# KiCad board LED_Matrix_Phone_Case.kicad_pcb (continued)
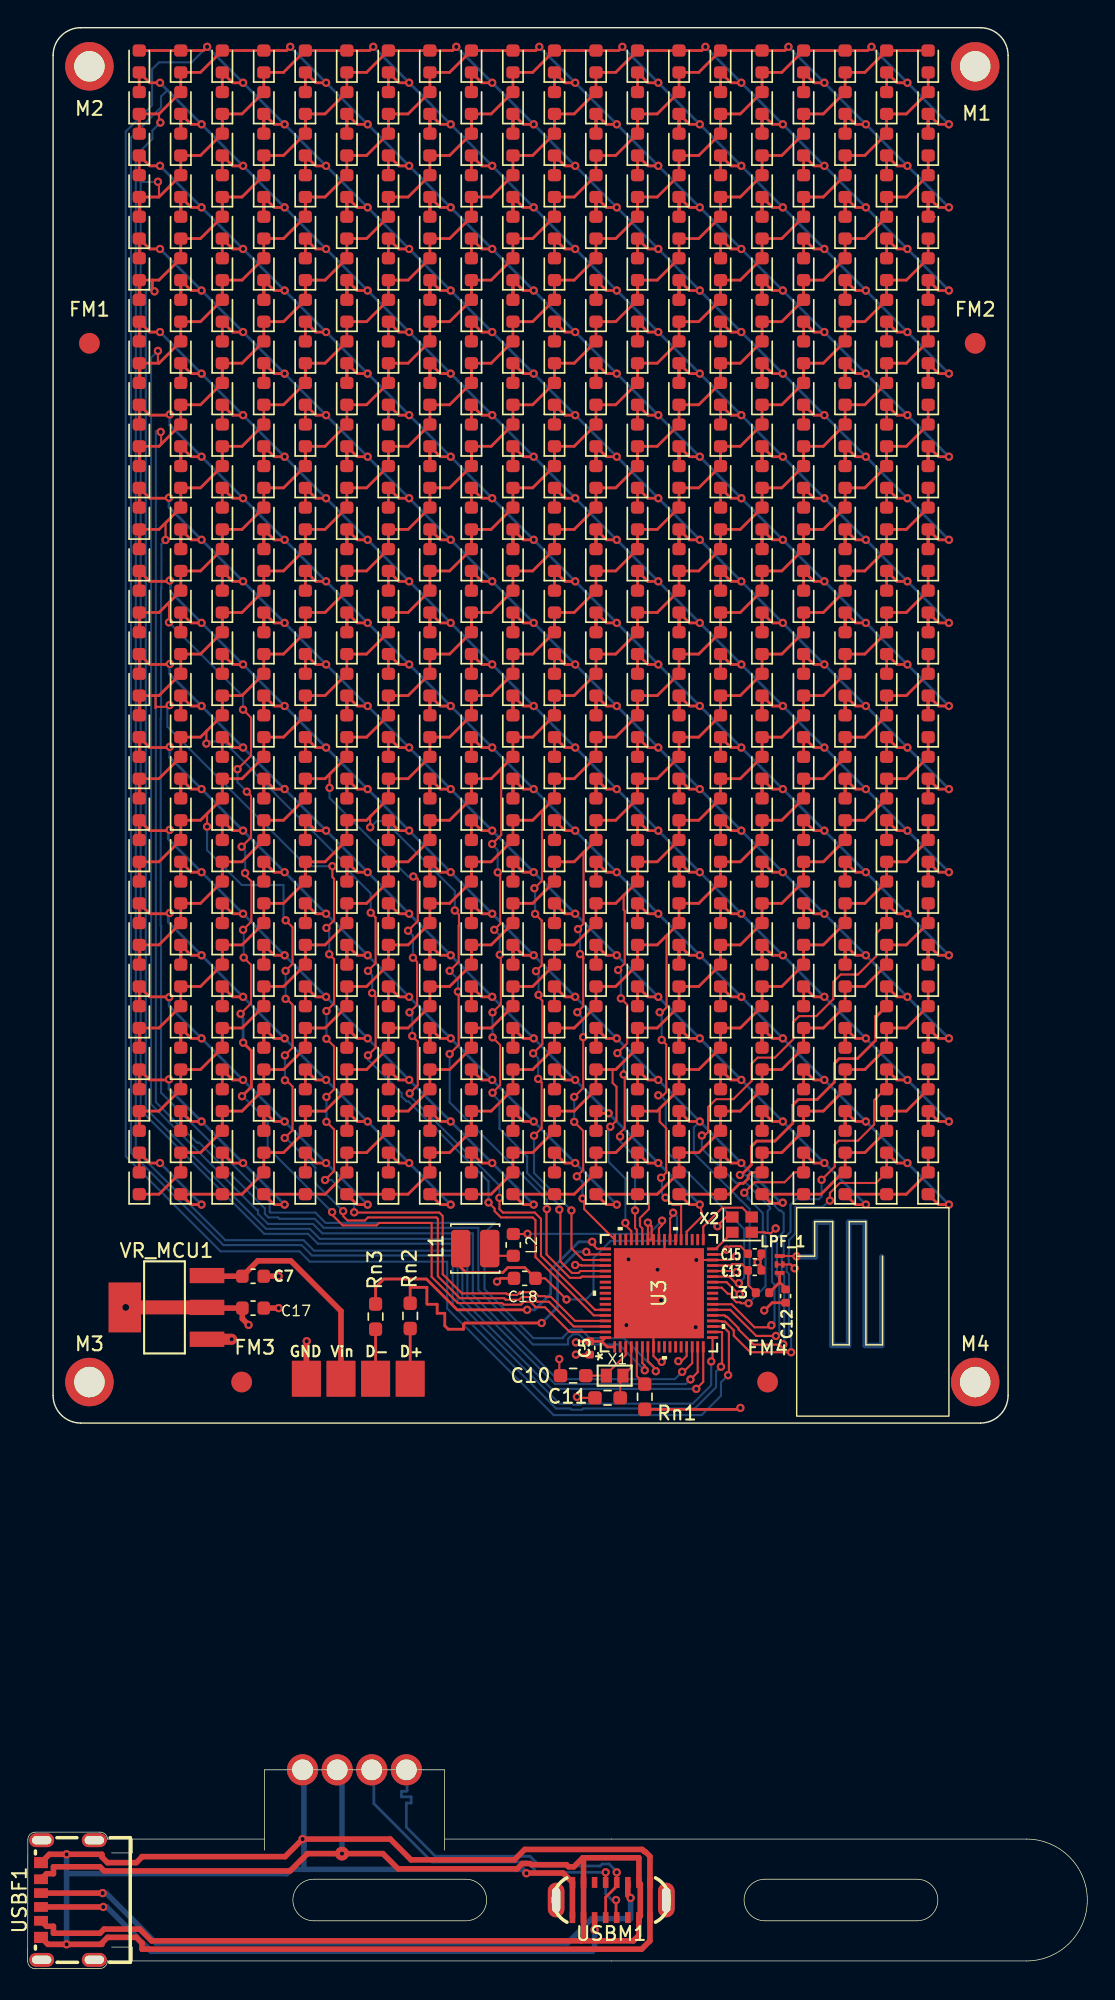
[diagram p0: board, top side]
## Routing (per net, layer and track width the routed paths; a pad name or vN(x,y) marks a point on that pad's centre or on a via; arc(x,y) is an arc through that point) (continued)
LED_24: length 171.6
  Top w0.15: v1(51.44,48.7) 51.37,48.7 50.5,49.57 U3.28
  Top w0.2: v1(54.56,55.31) 54.56,55.26 54.55,55.26 53.72,55.26 REF**550.1 REF**553.1 57.32,55.92 58.9,57.5 REF**554.2 REF**556.1 60.49,58.92 REF**#3.2 ; REF**#3.2 REF**517.1 63.49,61.92 REF**518.2 REF**520.1 ; REF**#3.2 62.06,61.96 ; v1(45.56,64.17) 44.81,64.17 REF**507.1 REF**505.2 ; REF**549.2 REF**551.1 50.81,58.17 v1(51.56,58.17) ; REF**373.2 REF**375.1 26.81,82.17 v1(27.56,82.17) ; REF**372.2 REF**330.1 23.81,85.17 v1(24.56,85.17) ; REF**372.2 23.06,85.96 REF**372.2 ; REF**417.2 REF**419.1 32.81,76.17 v1(33.56,76.17) ; v1(21.56,88.17) 20.81,88.17 REF**331.1 REF**329.2 ; REF**284.2 11.06,97.96 REF**284.2 ; REF**284.2 REF**242.1 11.81,97.17 v1(12.56,97.17) ; REF**504.2 41.06,67.96 REF**504.2 ; REF**504.2 REF**462.1 41.81,67.17 v1(42.56,67.17) ; REF**460.2 35.06,73.96 REF**460.2 ; REF**460.2 REF**418.1 35.81,73.17 v1(36.56,73.17) ; v1(39.56,70.17) 38.81,70.17 REF**463.1 REF**461.2 ; REF**416.2 29.06,79.96 REF**416.2 ; REF**416.2 REF**374.1 29.81,79.17 v1(30.56,79.17) ; REF**548.2 REF**506.1 47.81,61.17 v1(48.56,61.17) ; REF**548.2 47.06,61.96 REF**548.2 ; REF**328.2 17.06,91.96 REF**328.2 ; REF**328.2 REF**286.1 17.81,91.17 v1(18.56,91.17) ; v1(15.56,94.17) 14.81,94.17 REF**287.1 REF**285.2 ; REF**241.2 REF**243.1 8.81,100.17 10.05,100.17 10.11,100.23 v1(10.26,100.23)
  Bottom w0.15: v1(51.44,48.7) 52.16,49.42 52.16,54.86 51.57,55.46 51.54,55.46 51.2,55.79 51.2,55.82 48.14,58.89 48.14,60.75 v1(48.56,61.17)
  Bottom w0.2: v1(10.26,100.23) 10.31,100.18 10.31,99.42 v1(12.56,97.17) v1(15.56,94.17) v1(18.56,91.17) v1(21.56,88.17) v1(24.56,85.17) v1(27.56,82.17) v1(30.56,79.17) v1(33.56,76.17) v1(36.56,73.17) v1(39.56,70.17) v1(42.56,67.17) v1(45.56,64.17) v1(48.56,61.17) v1(51.56,58.17) 54.26,55.47 54.26,55.39 54.33,55.31 v1(54.56,55.31)
LED_25: length 154.4
  Top w0.15: v1(45.66,69.06) 45.81,69.06 46.16,69.41 46.16,74.51 46.12,74.55 ; v1(45.56,63.06) 45.91,63.06 46.14,63.29 46.14,66.74 v1(45.81,67.06) ; v1(51.39,49.5) 51.17,49.5 50.7,49.97 U3.29
  Top w0.2: REF**539.2 REF**497.1 33.49,61.92 REF**498.2 REF**500.1 36.49,64.92 REF**503.2 ; REF**539.2 32.06,61.96 ; REF**539.2 30.49,58.92 REF**536.1 REF**534.2 27.49,55.92 REF**533.1 REF**530.1 23.81,55.17 v1(24.56,55.17) ; REF**395.2 54.49,82.92 REF**392.1 REF**390.2 51.49,79.92 REF**389.1 REF**431.2 ; REF**395.2 56.06,85.96 ; REF**395.2 REF**353.1 57.49,85.92 REF**354.2 REF**356.1 60.49,88.92 REF**359.2 ; REF**503.2 38.06,67.96 ; REF**503.2 REF**461.1 39.49,67.92 REF**462.2 REF**464.1 42.49,70.92 REF**467.2 ; REF**467.2 44.06,73.96 ; REF**467.2 REF**425.1 45.49,73.92 REF**426.2 REF**428.1 48.49,76.92 REF**431.2 ; REF**484.2 11.06,67.96 REF**484.2 ; REF**484.2 REF**442.1 11.81,67.17 v1(12.56,67.17) ; REF**359.2 REF**317.1 63.49,91.92 REF**318.2 REF**320.1 ; REF**359.2 62.06,91.96 ; REF**431.2 50.06,79.96 ; REF**528.2 17.06,61.96 REF**528.2 ; REF**528.2 REF**486.1 17.81,61.17 v1(18.56,61.17) ; v1(10.23,70.14) 10.2,70.17 8.81,70.17 REF**443.1 REF**441.2 ; REF**485.2 REF**487.1 14.81,64.17 v1(15.56,64.17) ; REF**529.2 REF**531.1 20.81,58.17 v1(21.56,58.17)
  Bottom w0.15: 45.81,63.06 v1(45.56,63.06) 45.71,63.06 46.11,62.66 46.11,59.06 51.77,53.41 51.77,49.88 v1(51.39,49.5) ; v1(45.66,69.06) 45.81,68.91 v1(45.81,67.06)
  Bottom w0.2: v1(10.23,70.14) 10.23,69.51 v1(12.56,67.17) v1(15.56,64.17) v1(18.56,61.17) v1(21.56,58.17) v1(24.56,55.17)
LED_26: length 145.9
  Top w0.15: U3.46 44.41,53.46 44.24,53.63 44.24,54.05 ; 44.24,54.05 44.24,54.11 ; 44.24,54.05 44.24,54.2 44.89,54.85 44.89,55.9 44.91,55.92 ; 41.01,55.97 REF**542.1
  Top w0.2: REF**479.2 60.49,70.92 REF**476.1 REF**474.2 57.49,67.92 REF**473.1 REF**515.2 ; REF**479.2 62.06,73.96 ; REF**479.2 REF**437.1 63.49,73.92 REF**438.2 REF**440.1 ; v1(39.56,58.17) 38.81,58.17 REF**543.1 REF**541.2 ; v1(10.27,88.22) 10.22,88.17 8.81,88.17 REF**323.1 REF**321.2 ; REF**452.2 23.06,73.96 REF**452.2 ; REF**452.2 REF**410.1 23.81,73.17 v1(24.56,73.17) ; REF**496.2 REF**454.1 29.81,67.17 v1(30.56,67.17) ; REF**496.2 29.06,67.96 REF**496.2 ; v1(18.56,79.17) 17.81,79.17 REF**366.1 REF**408.2 ; v1(21.56,76.17) 20.81,76.17 REF**411.1 REF**409.2 ; REF**551.2 REF**509.1 51.49,61.92 REF**510.2 REF**512.1 54.49,64.92 REF**515.2 ; REF**551.2 50.06,61.96 ; REF**551.2 48.49,58.92 REF**548.1 REF**546.2 45.49,55.92 REF**545.1 REF**542.1 41.81,55.17 v1(42.56,55.17) ; REF**540.2 35.06,61.96 REF**540.2 ; REF**540.2 REF**498.1 35.81,61.17 v1(36.56,61.17) ; REF**364.2 11.06,85.96 REF**364.2 ; REF**364.2 REF**322.1 11.81,85.17 v1(12.56,85.17) ; REF**453.2 REF**455.1 26.81,70.17 v1(27.56,70.17) ; REF**515.2 56.06,67.96 ; v1(33.56,64.17) 32.81,64.17 REF**499.1 REF**497.2 ; REF**365.2 REF**367.1 14.81,82.17 v1(15.56,82.17) ; REF**408.2 17.06,79.96 REF**408.2
  Bottom w0.2: v1(10.27,88.22) 10.27,87.47 v1(12.56,85.17) v1(15.56,82.17) v1(18.56,79.17) v1(21.56,76.17) v1(24.56,73.17) v1(27.56,70.17) v1(30.56,67.17) v1(33.56,64.17) v1(36.56,61.17) v1(39.56,58.17) v1(42.56,55.17)
LED_27: length 143.9
  Top w0.15: v1(42.66,72.11) 43.14,72.59 43.14,76.39 43.06,76.46 43.06,77.5 43.09,77.53 ; v1(42.8,60.09) 42.8,60.36 43.14,60.7 43.14,64.34 43.06,64.41 v1(43.06,64.56) 43.06,64.86 ; v1(42.86,70.06) 43.31,69.61 43.31,66.81 v1(42.61,66.11) ; 43.99,54.75 v1(43.88,54.75) 43.88,53.49 44.01,53.36 U3.47
  Top w0.2: REF**463.2 38.06,73.96 ; REF**463.2 36.49,70.92 REF**460.1 REF**458.2 33.49,67.92 REF**457.1 REF**499.2 ; REF**463.2 REF**421.1 39.49,73.92 REF**422.2 REF**424.1 42.49,76.92 REF**427.2 ; REF**524.2 REF**482.1 11.81,61.17 v1(12.56,61.17) ; REF**524.2 11.06,61.96 REF**524.2 ; v1(10.21,64.21) 10.17,64.17 8.81,64.17 REF**483.1 REF**481.2 ; REF**355.2 56.06,91.96 ; REF**355.2 54.49,88.92 REF**352.1 REF**350.2 51.49,85.92 REF**349.1 REF**391.2 ; REF**355.2 REF**313.1 57.49,91.92 REF**314.2 REF**316.1 60.49,94.92 REF**319.2 ; REF**391.2 48.49,82.92 REF**388.1 REF**386.2 45.49,79.92 REF**385.1 REF**427.2 ; REF**391.2 50.06,85.96 ; REF**525.2 REF**527.1 14.81,58.17 v1(15.56,58.17) ; REF**427.2 44.06,79.96 ; REF**499.2 30.49,64.92 REF**496.1 REF**494.2 27.49,61.92 REF**493.1 REF**535.2 ; REF**499.2 32.06,67.96 ; REF**535.2 26.06,61.96 ; REF**535.2 24.49,58.92 REF**532.1 REF**530.2 21.49,55.92 REF**529.1 REF**526.1 17.81,55.17 v1(18.56,55.17) ; REF**319.2 62.06,97.96 ; REF**319.2 REF**277.1 63.49,97.92 REF**278.2 REF**280.1
  Bottom w0.15: v1(42.8,60.09) 42.8,59.73 43.88,58.65 v1(43.88,54.75) ; v1(43.06,64.56) 43.06,65.71 42.71,66.06 ; v1(42.86,70.06) 42.86,71.86 42.66,72.06 v1(42.66,72.11)
  Bottom w0.2: v1(10.21,64.21) 10.21,63.52 v1(12.56,61.17) v1(15.56,58.17) v1(18.56,55.17)
LED_28: length 143
  Top w0.15: v1(42.09,60.79) 42.54,61.24 42.54,63.68 42.26,63.96 42.26,64.92 ; 42.59,65.02 42.6,65.04 ; U3.48 43.61,53.26 43.19,53.69 v1(43.19,53.85)
  Top w0.2: REF**488.2 17.06,67.96 REF**488.2 ; REF**488.2 REF**446.1 17.81,67.17 v1(18.56,67.17) ; REF**399.2 62.06,85.96 ; REF**399.2 REF**357.1 63.49,85.92 REF**358.2 REF**360.1 ; REF**399.2 60.49,82.92 REF**396.1 REF**394.2 57.49,79.92 REF**393.1 REF**435.2 ; REF**543.2 38.06,61.96 ; REF**543.2 REF**501.1 39.49,61.92 REF**502.2 REF**504.1 42.49,64.92 REF**507.2 ; REF**543.2 36.49,58.92 REF**540.1 REF**538.2 33.49,55.92 REF**537.1 REF**534.1 29.81,55.17 v1(30.56,55.17) ; REF**471.2 REF**429.1 51.49,73.92 REF**430.2 REF**432.1 54.49,76.92 REF**435.2 ; REF**471.2 50.06,73.96 ; REF**471.2 48.49,70.92 REF**468.1 REF**466.2 45.49,67.92 REF**465.1 REF**507.2 ; REF**532.2 23.06,61.96 REF**532.2 ; REF**532.2 REF**490.1 23.81,61.17 v1(24.56,61.17) ; REF**507.2 44.06,67.96 ; REF**445.2 REF**447.1 14.81,70.17 v1(15.56,70.17) ; REF**444.2 11.06,73.96 REF**444.2 ; REF**444.2 REF**402.1 11.81,73.17 v1(12.56,73.17) ; REF**435.2 56.06,79.96 ; REF**401.2 REF**403.1 8.81,76.17 10.07,76.17 10.13,76.23 v1(10.26,76.23) ; v1(21.56,64.17) 20.81,64.17 REF**491.1 REF**489.2 ; v1(27.56,58.17) 26.81,58.17 REF**535.1 REF**533.2
  Bottom w0.15: v1(42.09,60.79) 41.96,60.66 41.96,58.27 43.19,57.05 v1(43.19,53.85)
  Bottom w0.2: v1(30.56,55.17) v1(27.56,58.17) v1(24.56,61.17) v1(21.56,64.17) v1(18.56,67.17) v1(15.56,70.17) v1(12.56,73.17) 10.16,75.57 10.16,76.12 v1(10.26,76.23)
SERIAL_D+: length 51.2
  Top w0.15: U3.53 40.55,51.57 v1(40.36,51.76)
  Top w0.2: USBM1.4 41.76,5.16 42.56,5.96 USBM1.12 v1(42.56,6.96) ; Rn2.1 27.64,42.6 ; v1(37.14,46.62) 31.59,46.62 31.49,46.52 31.49,46.17 30.39,46.17 30.14,46.42 30.14,47.32 29.59,47.32 29.59,47.97 28.89,47.97 28.84,48.02 28.84,49.2 27.64,49.2 Rn2.2
  Bottom w0.2: v1(37.14,46.62) 38.29,47.77 38.29,50.39 39.66,51.76 v1(40.36,51.76) ; 27.36,13.76 27.41,13.76 27.41,12.86 27.36,12.81 27.01,12.81 27.01,12.41 27.71,12.41 27.71,11.96 27.36,11.96 27.36,10.21 29.45,8.12 36.29,8.12 37,7.41 41.36,7.41 41.51,7.56 42.01,7.56 42.36,7.21 42.36,7.16 v1(42.56,6.96)
SERIAL_D-: length 51.6
  Top w0.15: v1(40.79,52.49) 40.96,52.31 40.96,52.16 41.15,51.97 U3.52
  Top w0.2: Rn3.1 25.14,42.6 ; USBM1.5 42.51,3.74 v1(42.51,4.96) ; Rn3.2 25.14,49.2 25.74,49.8 28.81,49.8 31.04,47.57 v1(36.09,47.57) ; USBM1.13 v1(41.76,6.96)
  Bottom w0.2: 25.01,14.21 25.01,11.93 29.22,7.71 36.07,7.71 36.64,7.14 36.64,6.96 v1(41.76,6.96) 41.76,5.41 42.21,4.96 v1(42.51,4.96) ; v1(40.79,52.49) 39.82,52.49 37.79,50.45 37.79,48.72 36.64,47.57 v1(36.09,47.57)

## Copper pours and planes (outline as drawn; the poured copper is in the pictures)
/3.3V_PHONE on In1.Cu: 2.26,139.76 2.46,39.86 55.46,39.86 55.46,54.86 70.96,54.86 70.96,139.86 2.46,139.86
GND on In2.Cu: 1.96,139.86 2.46,39.86 55.46,39.86 55.46,54.86 70.71,54.86 70.71,139.86

## Text on the board
User.Comments: USB-C port on this side
User.Drawings: the dimensions of this tab are completely arbitrary / and should definitely be revisited in the future | phone thickness | SPEAKER CUTOUT | Traces and ground plane must sit outside this zone
F.Silkscreen: GND | Vin | D- | D+
